# KiCad board transistor_clock.kicad_pcb (continued)
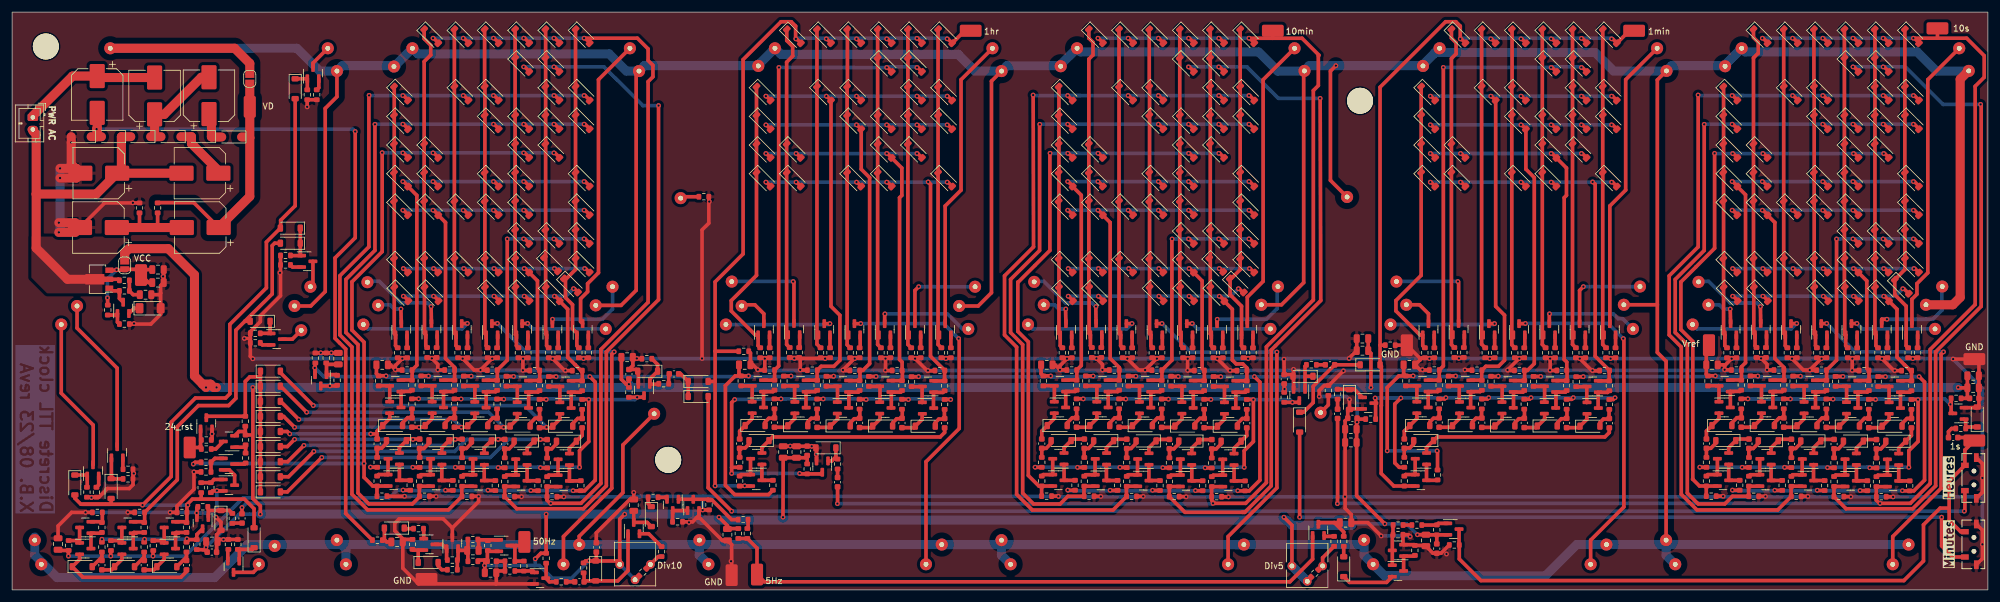
[diagram p0: board, top side]
## Routing (per net, layer and track width the routed paths; a pad name or vN(x,y) marks a point on that pad's centre or on a via; arc(x,y) is an arc through that point) (continued)
/Minutes/10counter/SCR_stage5/NEXT: length 4.8
  Top w0.6: 178.36,27.23 178.09,26.95 176.18,26.95 ; D261.1 179.53,28.4 Q81.2
/Minutes/10counter/SCR_stage6/NEXT: length 4.8
  Top w0.6: 183.21,26.95 185.16,26.95 185.41,27.2 ; 186.59,29.26 186.59,28.37 185.43,27.21
/Minutes/10counter/SCR_stage7/NEXT: length 4.8
  Top w0.6: 193.61,29.21 193.61,28.32 192.45,27.16 ; 192.44,27.15 192.21,26.93 190.26,26.93
/Minutes/10counter/SCR_stage8/NEXT: length 4.8
  Top w0.6: 197.29,26.88 199.24,26.88 200.65,28.29 200.65,29.18
/Minutes/10counter/SCR_stage/IN: length 5.1
  Top w0.6: 204.34,26.85 204.34,25.58 202.24,23.48 202.24,22.59
/Minutes/10counter/SCR_stage/NEXT: length 4.8
  Top w0.6: 195.24,22.61 195.24,23.5 196.4,24.66 ; 198.55,24.91 196.64,24.91 196.39,24.66
/Minutes/10Decoder/1: length 117.5
  Top w0.6: 200.5,86 199.83,86.66 199.67,86.66 ; 195.5,86 194.83,86.66 194.67,86.66 ; 203.59,12.86 204.03,12.86 ; 203.59,12.86 204,12.86 208.39,17.25 208.39,39.75 216.59,47.95 v1(216.49,81.45) ; 203.59,12.86 194.12,12.86 R30.1 ; 191.53,15.46 191.53,17.11 191.55,17.14 191.56,17.13 193.36,17.13
  Bottom w0.6: v1(216.49,81.45) 209.59,81.45 204.38,86.66 194.67,86.66
  vias: v1(194.7,86.67) v1(199.7,86.67)
/Minutes/10Decoder/2: length 136
  Top w0.6: v1(174.7,81.92) 175.53,81.09 D162.2 ; 189.67,81.91 189.78,81.91 190.45,81.25 ; v1(168.99,82) 169.05,56.85 164.25,52.05 164.25,42.25 166.25,40.25 166.25,15.84 168.85,13.25 182.21,13.25 184.45,15.49 ; 185.45,81.25 184.78,81.91 184.67,81.91 ; 204.67,81.91 204.83,81.91 205.5,81.25 ; 184.43,15.51 184.43,17.16 184.45,17.19 184.46,17.18 186.26,17.18 ; 200.5,81.25 199.83,81.91 199.67,81.91
  Bottom w0.6: 174.67,81.91 176.74,81.91 ; 176.74,81.91 204.67,81.91 ; 176.74,81.91 168.95,81.91
  vias: v1(184.7,81.92) v1(189.7,81.92) v1(199.7,81.92) v1(204.7,81.92)
/Minutes/10Decoder/3: length 118.9
  Top w0.6: 190.45,76.5 189.78,77.16 189.67,77.16 ; 175.45,76.5 174.78,77.16 174.67,77.16 ; 205.5,76.5 204.83,77.16 204.67,77.16 ; 199.67,77.16 199.83,77.16 200.5,76.5 ; 194.67,77.16 194.83,77.16 195.5,76.5 ; 177.4,15.51 177.4,17.16 177.43,17.19 177.43,17.18 179.24,17.18 ; 177.43,15.52 174.72,15.52 173.45,14.25 169.05,14.25 167.25,16.05 167.25,40.65 165.25,42.65 165.25,51.45 170.05,56.25 170.05,77.15
  Bottom w0.6: v1(170.09,77.15) 170.1,77.16 204.67,77.16
  vias: v1(174.7,77.17) v1(189.7,77.17) v1(194.7,77.17) v1(199.7,77.17) v1(204.7,77.17)
/Minutes/10Decoder/4: length 96.8
  Top w0.6: v1(174.71,72.35) 174.83,72.35 175.5,71.68 ; v1(194.71,72.35) 194.88,72.35 195.55,71.68 ; R111.2 169.93,17.22 168.19,18.96 168.19,41.1 166.45,42.84 166.45,51 166.51,51 171.76,56.25 171.76,72.38 ; v1(199.71,72.35) 199.88,72.35 200.55,71.68 ; 180.5,71.68 179.83,72.35 v1(179.71,72.35) ; 172.22,17.21 170.42,17.21 170.41,17.21 170.39,17.19 170.39,15.54
  Bottom w0.6: v1(199.71,72.35) 176.45,72.35 ; 176.45,72.35 171.8,72.35 v1(171.79,72.35) 171.8,72.35 171.8,72.35 ; 176.45,72.35 v1(174.71,72.35)
/Minutes/10Decoder/5: length 70.2
  Top w0.6: 179.67,67.66 179.78,67.66 180.45,67 ; 174.67,67.66 174.78,67.66 175.45,67 ; 175.53,66.83 176.95,65.41 176.95,37.18 R106.1 ; 190.45,67 189.78,67.66 189.67,67.66 ; 205.5,67 204.83,67.66 204.67,67.66 ; 194.67,67.66 194.83,67.66 195.5,67 ; 174.38,34.79 176.18,34.79 176.19,34.78 176.21,34.81 176.21,36.46
  Bottom w0.6: 174.67,67.66 204.67,67.66
  vias: v1(174.7,67.67) v1(179.7,67.67) v1(189.7,67.67) v1(194.7,67.67) v1(204.7,67.67)
/Minutes/10Decoder/6: length 66.7
  Top w0.6: 205.5,62.25 204.83,62.91 204.67,62.91 ; 185.45,62.25 184.78,62.91 184.67,62.91 ; 189.67,62.91 189.78,62.91 190.45,62.25 ; 179.67,62.91 179.78,62.91 180.45,62.25 ; 194.67,62.91 194.83,62.91 195.5,62.25 ; 174.67,62.91 174.78,62.91 175.45,62.25 ; 180.53,62.08 181.73,60.88 181.73,38.36 183.24,36.86 183.24,36.43 ; R164.1 183.24,34.78 R163.2 183.21,34.76 Q82.2
  Bottom w0.6: 174.67,62.91 204.67,62.91
  vias: v1(174.7,62.92) v1(179.7,62.92) v1(184.7,62.92) v1(189.7,62.92) v1(194.7,62.92) v1(204.7,62.92)
/Minutes/10Decoder/7: length 42
  Top w0.6: 205.5,57.5 204.83,58.16 204.67,58.16 ; 195.5,57.5 194.83,58.16 194.67,58.16 ; 190.29,36.4 191.95,38.07 191.95,58.15 ; 188.46,34.74 190.27,34.74 190.28,34.73 190.3,34.76 190.3,36.41 ; 199.67,58.16 199.83,58.16 200.5,57.5
  Bottom w0.6: 191.97,58.16 191.95,58.15 194.67,58.16 204.67,58.16
  vias: v1(191.99,58.15) v1(194.7,58.17) v1(199.7,58.17) v1(204.7,58.17)
/Minutes/10Decoder/8: length 58
  Top w0.6: 197.33,36.36 197.33,34.71 197.3,34.68 197.3,34.69 195.49,34.69 ; 200.58,52.58 199.92,53.25 199.75,53.25 ; 185.53,52.58 184.87,53.25 184.75,53.25 ; 204.75,53.25 204.92,53.25 205.58,52.58 ; 194.75,53.25 194.92,53.25 196.95,51.21 196.95,36.72 197.31,36.35 ; 190.53,52.58 189.87,53.25 189.75,53.25 ; 179.75,53.25 179.87,53.25 180.53,52.58 ; 175.53,52.58 174.87,53.25 174.75,53.25
  Bottom w0.6: 174.75,53.25 204.75,53.25
  vias: v1(174.79,53.25) v1(179.79,53.25) v1(184.79,53.25) v1(189.79,53.25) v1(194.79,53.25) v1(199.79,53.25) v1(204.79,53.25)
/Minutes/10Decoder/9: length 52.4
  Top w0.6: 203.75,49.25 203.08,49.91 202.92,49.91 ; 174.75,48.66 174.87,48.66 175.53,48 ; 194.75,48.66 194.92,48.66 195.58,48 ; R216.1 204.36,36.77 203.69,37.45 202.59,37.45 201.95,38.09 201.95,46.51 200.63,47.83 ; 199.75,48.66 199.92,48.66 200.58,48 ; 202.53,34.66 204.33,34.66 204.34,34.65 204.36,34.68 204.36,36.33 ; 179.75,48.66 179.87,48.66 180.53,48 ; 190.53,48 189.87,48.66 189.75,48.66
  Bottom w0.6: 174.75,48.66 201.67,48.66 202.92,49.91
  vias: v1(174.79,48.67) v1(179.79,48.67) v1(189.79,48.67) v1(194.79,48.67) v1(199.79,48.67) v1(202.95,49.92)
/Minutes/Clk_in: length 14.8
  Top w0.6: D301.1 213.74,29.45 215.34,31.05 215.34,33.75 C38.1 D302.1
/Minutes/Div10_A: length 54.4
  Top w0.6: 203.8,40.12 203.46,40.46 203.46,42.25 ; 203.47,42.25 203.47,47.02 201.58,48.91 201.58,51.41 203.25,53.08 203.25,92.91
/Minutes/Div10_B: length 53
  Top w0.6: 198.47,42.25 198.3,42.41 198.3,92.86 198.25,92.91 ; 198.8,40.12 198.46,40.46 198.46,42.25
/Minutes/Div10_C: length 53.1
  Top w0.6: 193.25,92.91 193.25,50.21 193.3,50.16 193.3,42.29 193.41,42.29 193.46,42.25 193.46,40.46 193.8,40.12
/Minutes/Div10_D: length 53
  Top w0.6: 188.46,42.25 188.46,40.46 188.8,40.12 ; 188.2,92.91 188.2,83.41 188.25,83.36 188.25,42.45 188.46,42.25
/Minutes/Div10_E: length 53
  Top w0.6: 183.8,40.12 183.46,40.46 183.46,42.25 183.2,42.51 183.2,92.91
/Minutes/Div10_F: length 53.6
  Top w0.6: 178.46,42.25 178.46,40.47 178.81,40.12 ; 178.45,42.28 178.25,42.48 178.25,50.16 178.2,50.21 178.2,87.95 178.89,88.64 178.89,90.75 178.2,91.44 D155.1
/Minutes/Div10_G: length 43.5
  Top w0.6: 173.2,83.41 173.25,83.36 173.25,42.46 173.46,42.25 173.46,40.47 173.81,40.12
/PSU/AC2: length 23
  Top w1.5: 3.44,78.58 10.01,85.15 C65.1 14.34,84.9 C81.2
/PSU/Sync: length 120.4
  Top w0.6: R257.1 55.21,12.68 55.21,39.93 53.45,41.69 53.45,55.01 56.79,58.35 v1(56.79,75.95)
  Top w1.5: 13.99,75.1 D296.1 ; 13.99,75.1 14.09,75.2 14.09,76.25 v1(13.99,76.35) 14.09,76.45 C65.2 ; 13.99,75.1 D298.2
  Bottom w0.6: v1(13.99,76.35) 56.39,76.35 v1(56.79,75.95)
/PSU/Vleds: length 39
  Top w0.6: 24.09,64.18 30.06,64.18 C82.1
  Top w1.5: 39.34,74.9 TP6.1 39.34,83.7 ; 39.34,74.9 39.19,75.05 D327.1 ; 39.34,74.9 39.34,65.2 C82.1
/Seconds/10counter/RST: length 123.1
  Top w0.6: 286.19,31.69 287.26,31.69 v1(287.29,31.66) ; v1(279.31,20.34) 279.34,20.32 R94.1 ; 293.21,31.66 294.29,31.66 v1(294.31,31.64) ; v1(308.4,31.56) 308.38,31.59 307.3,31.59 ; v1(301.38,31.61) 301.35,31.64 300.27,31.64 ; v1(293.35,20.32) 293.38,20.29 294.45,20.29 ; v1(286.32,20.32) 286.35,20.29 287.42,20.29 ; v1(313.91,20.32) 313.91,23.07 315.44,24.59 v1(315.44,31.53) 315.41,31.56 R204.1 ; v1(300.45,20.27) 300.47,20.24 301.55,20.24 ; R19.2 320.91,29.53 Q9.3 ; v1(307.45,20.24) 307.47,20.22 R20.1
  Bottom w0.6: 307.06,20.34 313.89,20.34 v1(313.91,20.32) ; 307.06,20.34 v1(279.31,20.34) ; 307.06,20.34 307.35,20.34 v1(307.45,20.24) ; 313.79,31.66 314.25,31.66 ; 313.79,31.66 v1(287.29,31.66) 314.25,31.66 ; 313.79,31.66 319.87,31.66 v1(320.79,30.75) ; 314.25,31.66 315.31,31.66 v1(315.44,31.53)
/Seconds/10counter/SCR_stage1/NEXT: length 4.8
  Top w0.6: 299.3,24.72 298.14,23.56 298.14,22.67 ; D62.1 299.57,24.94 C9.2
/Seconds/10counter/SCR_stage2/NEXT: length 4.8
  Top w0.6: 291.11,22.67 291.11,23.56 292.27,24.72 ; D127.1 292.54,24.97 C12.2
/Seconds/10counter/SCR_stage3/NEXT: length 4.8
  Top w0.6: C23.2 285.52,25 D139.1 284.1,23.58 Q47.2
/Seconds/10counter/SCR_stage4/NEXT: length 5.1
  Top w0.6: D141.1 280.41,26.32 C32.2 ; 282.5,29.31 282.5,28.43 281.34,27.26
/Seconds/10counter/SCR_stage5/NEXT: length 4.8
  Top w0.6: 289.52,29.29 289.52,28.4 288.36,27.24 ; C33.2 288.09,26.96 D255.1
/Seconds/10counter/SCR_stage6/NEXT: length 4.8
  Top w0.6: 296.59,29.26 296.59,28.38 295.42,27.21 ; C47.2 295.16,26.96 D256.1
/Seconds/10counter/SCR_stage7/NEXT: length 4.8
  Top w0.6: 302.45,27.16 303.61,28.33 303.61,29.21 ; C48.2 302.21,26.93 D265.1
/Seconds/10counter/SCR_stage8/NEXT: length 4.8
  Top w0.6: Q102.2 310.65,28.3 D281.1 309.24,26.88 C53.2
/Seconds/10counter/SCR_stage/IN: length 5.1
  Top w0.6: C62.2 314.34,25.58 D58.1 312.24,23.48 Q10.2
/Seconds/10counter/SCR_stage/NEXT: length 4.8
  Top w0.6: C8.2 306.64,24.92 D59.1 ; 306.4,24.67 305.24,23.51 305.24,22.62
/Seconds/10Decoder/1: length 115
  Top w0.6: 305.5,86 304.83,86.67 v1(304.67,86.67) ; v1(309.67,86.67) 309.83,86.67 310.5,86 ; v1(325.79,80.45) 325.89,80.35 325.89,46.99 318.35,39.45 318.35,17.25 314.55,13.45 303.53,13.45 R26.1 ; 303.36,17.14 301.56,17.14 301.55,17.14 301.52,17.12 301.52,15.47
  Bottom w0.6: v1(325.79,80.45) 319.59,80.45 313.37,86.67 v1(309.67,86.67) v1(304.67,86.67)
/Seconds/10Decoder/2: length 135.5
  Top w0.6: v1(314.67,81.92) 314.83,81.92 315.5,81.25 ; 296.26,17.19 294.45,17.19 294.45,17.19 294.42,17.17 294.42,15.52 ; v1(309.67,81.92) 309.83,81.92 310.5,81.25 ; v1(294.67,81.92) 294.78,81.92 295.45,81.25 ; 285.45,81.25 284.78,81.92 v1(284.67,81.92) ; v1(279.04,82) 279.05,81.99 279.05,56.85 274.25,52.05 274.25,42.25 276.25,40.25 276.25,15.85 278.85,13.25 292.21,13.25 R38.1 ; 300.45,81.25 299.78,81.92 v1(299.67,81.92)
  Bottom w0.6: 286.49,81.92 v1(314.67,81.92) ; 286.49,81.92 v1(284.67,81.92) ; 286.49,81.92 279.07,81.92
/Seconds/10Decoder/3: length 118.9
  Top w0.6: 300.45,76.5 299.78,77.17 v1(299.67,77.17) ; 310.5,76.5 309.83,77.17 v1(309.67,77.17) ; 285.45,76.5 284.78,77.17 v1(284.67,77.17) ; v1(280.05,77.15) 280.05,56.25 275.25,51.45 275.25,42.65 277.25,40.65 277.25,16.05 279.05,14.25 283.45,14.25 284.72,15.52 R62.1 ; 287.4,15.52 287.4,17.17 287.42,17.19 287.43,17.19 289.24,17.19 ; v1(314.67,77.17) 314.83,77.17 315.5,76.5 ; v1(304.67,77.17) 304.83,77.17 305.5,76.5
  Bottom w0.6: v1(314.67,77.17) v1(284.67,77.17) 280.07,77.17 v1(280.05,77.15)
/Seconds/10Decoder/4: length 97
  Top w0.6: R96.1 280.39,17.19 R95.2 ; v1(309.75,72.31) 309.92,72.31 310.59,71.64 ; Q48.2 280.42,17.21 R95.2 ; R95.2 279.27,17.22 278.13,18.36 278.16,18.39 278.16,41.17 276.19,43.14 276.19,51.03 281.77,56.61 v1(281.77,72.34) ; 305.59,71.64 304.92,72.31 v1(304.75,72.31) ; 290.54,71.64 289.87,72.31 v1(289.75,72.31) ; v1(284.75,72.31) 284.87,72.31 285.54,71.64
  Bottom w0.6: 286.08,72.31 281.79,72.31 ; 286.08,72.31 v1(309.75,72.31) ; 286.08,72.31 v1(284.75,72.31)
/Seconds/10Decoder/5: length 70.1
  Top w0.6: 290.45,67 289.78,67.67 v1(289.67,67.67) ; 315.5,67 314.83,67.67 v1(314.67,67.67) ; 284.38,34.79 286.18,34.79 286.19,34.79 286.21,34.81 286.21,36.46 ; D34.2 286.89,65.48 286.89,37.65 286.2,36.96 R102.1 ; 305.5,67 304.83,67.67 v1(304.67,67.67) ; v1(284.67,67.67) 284.78,67.67 285.45,67 ; v1(299.67,67.67) 299.78,67.67 300.45,67
  Bottom w0.6: v1(284.67,67.67) v1(314.67,67.67)
/Seconds/10Decoder/6: length 66.7
  Top w0.6: v1(299.67,62.92) 299.78,62.92 300.45,62.25 ; v1(304.67,62.92) 304.83,62.92 305.5,62.25 ; v1(294.67,62.92) 294.78,62.92 295.45,62.25 ; 290.45,62.25 289.78,62.92 v1(289.67,62.92) ; 285.45,62.25 284.78,62.92 v1(284.67,62.92) ; 291.4,34.77 293.21,34.77 293.21,34.76 293.24,34.79 293.24,36.44 ; D39.2 291.73,60.88 291.73,38.37 293.24,36.86 R146.1 ; 315.5,62.25 314.83,62.92 v1(314.67,62.92)
  Bottom w0.6: v1(284.67,62.92) v1(314.67,62.92)
/Seconds/10Decoder/7: length 42
  Top w0.6: v1(304.67,58.17) 304.83,58.17 305.5,57.5 ; v1(301.95,58.15) 301.95,38.07 R150.1 ; 300.3,36.41 300.3,34.76 300.27,34.74 300.27,34.74 298.46,34.74 ; 315.5,57.5 314.83,58.17 v1(314.67,58.17) ; v1(309.67,58.17) 309.83,58.17 310.5,57.5
  Bottom w0.6: v1(301.95,58.15) v1(304.67,58.17) v1(314.67,58.17)
/Seconds/10Decoder/8: length 58
  Top w0.6: v1(284.75,53.25) 284.87,53.25 D50.2 ; v1(309.75,53.25) 309.92,53.25 D45.2 ; v1(294.75,53.25) 294.87,53.25 D48.2 ; D44.2 314.92,53.25 v1(314.75,53.25) ; D49.2 289.87,53.25 v1(289.75,53.25) ; D47.2 299.87,53.25 v1(299.75,53.25) ; 307.32,36.36 307.32,34.71 307.3,34.69 307.29,34.69 305.49,34.69 ; v1(304.75,53.25) 304.92,53.25 D46.2 306.95,51.22 306.95,36.72 R178.1
  Bottom w0.6: v1(284.75,53.25) v1(314.75,53.25)
/Seconds/10Decoder/9: length 51.9
  Top w0.6: 285.53,48 284.87,48.67 v1(284.75,48.67) ; v1(309.75,48.67) 309.92,48.67 310.58,48 ; 300.53,48 299.87,48.67 v1(299.75,48.67) ; v1(289.75,48.67) 289.87,48.67 290.53,48 ; D52.2 311.95,46.52 311.95,38.55 313.19,37.31 313.2,37.31 314.18,36.33 R206.1 314.36,34.68 R205.2 314.33,34.66 Q103.2 ; v1(304.75,48.67) 304.92,48.67 305.58,48 ; 313.75,49.25 313.08,49.92 v1(312.92,49.92)
  Bottom w0.6: v1(312.92,49.92) 311.67,48.67 v1(284.75,48.67)
/Seconds/Div10_A: length 54.4
  Top w0.6: 313.8,40.13 313.46,40.47 313.46,42.25 ; D8.1 313.25,53.08 D51.1 311.58,48.92 313.47,47.03 Q2.1
/Seconds/Div10_B: length 53
  Top w0.6: D9.1 308.3,92.87 D52.1 308.3,42.42 Q3.1 ; 308.46,42.25 308.46,40.47 R6.1
/Seconds/Div10_C: length 53.1
  Top w0.6: 303.8,40.13 303.46,40.47 Q4.1 303.41,42.3 303.3,42.3 D53.1 303.25,50.22 D10.1
/Seconds/Div10_D: length 53
  Top w0.6: D11.1 D18.1 298.25,83.37 D54.1 298.25,42.46 Q5.1 ; 298.8,40.13 298.46,40.47 298.46,42.25
/Seconds/Div10_E: length 53
  Top w0.6: D12.1 D48.1 293.2,42.51 Q6.1 293.46,40.47 R12.1
/Seconds/Div10_F: length 53.7
  Top w0.6: D13.1 288.2,91.54 288.99,90.75 288.99,88.94 288.2,88.15 288.2,50.22 D55.1 288.25,42.49 Q7.1 ; 288.46,42.25 288.46,40.48 288.81,40.13
/Seconds/Div10_G: length 43.5
  Top w0.6: D20.1 283.25,83.37 D56.1 283.25,42.46 Q8.1 283.46,40.48 R16.1
/TensMinutes/6counter/RST: length 70.8
  Top w0.6: 126.18,31.65 127.25,31.65 v1(127.25,31.65) ; Q45.3 133.81,19.23 R91.2 130.41,19.23 v1(130.34,19.3) ; 140.3,31.57 141.33,31.57 v1(141.35,31.55) ; R316.1 155.33,31.56 ; v1(134.25,31.65) 134.25,31.65 133.2,31.65 ; v1(119.59,31.55) 119.09,31.05 119.09,20.3 ; R296.1 119.1,20.32 119.09,20.3 ; 119.09,20.3 v1(119.09,19.3) ; v1(148.35,31.55) 148.33,31.57 147.33,31.57
  Bottom w0.6: v1(119.09,19.3) v1(130.34,19.3) ; 128.09,31.65 v1(119.59,31.55) ; 128.09,31.65 v1(127.25,31.65) ; 128.09,31.65 155.24,31.65 v1(155.34,31.55)
/TensMinutes/6counter/SCR_stage1/NEXT: length 4.8
  Top w0.6: 128.35,27.23 129.51,28.39 129.51,29.28 ; 128.39,27.2 128.14,26.95 126.18,26.95
/TensMinutes/6counter/SCR_stage2/NEXT: length 4.8
  Top w0.6: 136.61,29.2 136.61,28.31 135.45,27.15 ; 133.24,26.93 135.17,26.93 135.41,27.17
/TensMinutes/6counter/SCR_stage3/NEXT: length 4.8
  Top w0.6: 143.64,29.2 143.64,28.31 142.47,27.15 ; 140.26,26.9 142.17,26.9 142.43,27.16
/TensMinutes/6counter/SCR_stage4/NEXT: length 4.8
  Top w0.6: 147.28,26.88 149.24,26.88 149.49,27.13 ; 150.61,29.15 150.61,28.26 149.45,27.09
/TensMinutes/6counter/SCR_stage/IN: length 32.9
  Top w0.6: 154.34,26.85 154.34,26.08 153.6,25.34 125.87,25.34 125.26,24.74 ; 124.09,22.7 124.09,23.58 125.25,24.75
/TensMinutes/6counter/SCR_stage/NEXT: length 5.1
  Top w0.6: 120.41,25.01 120.41,26.31 122.49,28.39 122.49,29.28
/TensMinutes/6Decoder/1: length 79
  Top w0.6: 144.72,86.56 144.88,86.56 145.55,85.9 ; 126.88,86.57 126.88,37.1 126.2,36.43 126.2,34.78 126.18,34.75 126.17,34.76 124.36,34.76 ; 149.72,86.56 149.88,86.56 150.55,85.9
  Bottom w0.6: 126.88,86.56 126.88,86.57 144.72,86.56 ; 144.65,86.67 149.65,86.67
  vias: v1(126.91,86.58) v1(144.75,86.57) v1(149.75,86.57)
/TensMinutes/6Decoder/2: length 87
  Top w0.6: 125.5,81.15 124.83,81.81 124.72,81.81 ; 131.39,34.76 133.2,34.76 133.2,34.75 133.22,34.78 133.22,36.43 ; 133.26,36.4 133.91,37.05 136,37.05 137,38.05 137,45.52 135.53,46.99 135.53,81.08 ; 155.55,81.15 154.88,81.81 154.72,81.81 ; 134.72,81.81 134.83,81.81 135.5,81.15 ; 149.72,81.81 149.88,81.81 150.55,81.15 ; 140.5,81.15 139.83,81.81 139.72,81.81
  Bottom w0.6: 124.72,81.81 154.72,81.81
  vias: v1(124.75,81.82) v1(134.75,81.82) v1(139.75,81.82) v1(149.75,81.82) v1(154.75,81.82)
/TensMinutes/6Decoder/3: length 80.5
  Top w0.6: 140.53,76.33 140.53,69.71 141.93,68.32 141.93,37.5 140.8,36.37 140.29,36.37 ; 140.5,76.4 139.83,77.06 139.72,77.06 ; 140.33,36.35 140.33,34.7 140.3,34.67 140.3,34.68 138.49,34.68 ; 145.55,76.4 144.88,77.06 144.72,77.06 ; 154.72,77.06 154.88,77.06 155.55,76.4 ; 150.55,76.4 149.88,77.06 149.72,77.06 ; 125.5,76.4 124.83,77.06 124.72,77.06
  Bottom w0.6: 154.72,77.06 124.72,77.06
  vias: v1(124.75,77.07) v1(139.75,77.07) v1(144.75,77.07) v1(149.75,77.07) v1(154.75,77.07)
/TensMinutes/6Decoder/4: length 69.1
  Top w0.6: 144.72,72.31 144.88,72.31 145.55,71.65 ; 145.58,71.58 147.25,69.91 147.25,65.37 146.88,65 146.88,38.17 147.3,37.75 147.3,36.36 ; 125.5,71.65 124.83,72.31 124.72,72.31 ; 129.72,72.31 129.83,72.31 130.5,71.65 ; 149.72,72.31 149.88,72.31 150.55,71.65 ; 145.51,34.68 147.32,34.68 147.33,34.67 147.35,34.7 147.35,36.35
  Bottom w0.6: 149.72,72.31 124.72,72.31
  vias: v1(124.75,72.32) v1(129.75,72.32) v1(144.75,72.32) v1(149.75,72.32)
/TensMinutes/6Decoder/5: length 71.4
  Top w0.6: 140.5,66.9 139.83,67.56 139.72,67.56 ; 155.55,66.9 154.88,67.56 154.72,67.56 ; 152.49,34.63 154.3,34.63 154.3,34.62 154.33,34.65 154.33,36.3 ; 145.55,66.9 144.88,67.56 144.72,67.56 ; 151.6,67.62 152,67.22 152,38.72 154.38,36.35 ; 130.5,66.9 129.83,67.56 129.72,67.56 ; 124.72,67.56 124.83,67.56 125.5,66.9
  Bottom w0.6: 154.72,67.56 151.61,67.56 151.58,67.6 151.54,67.56 124.72,67.56
  vias: v1(124.75,67.57) v1(129.75,67.57) v1(139.75,67.57) v1(144.75,67.57) v1(151.61,67.6) v1(154.75,67.57)
/TensMinutes/Div6_A: length 53
  Top w0.6: 153.79,40.12 153.25,40.66 153.25,92.91
/TensMinutes/Div6_B: length 53
  Top w0.6: 148.25,92.91 148.25,40.67 148.8,40.12
/TensMinutes/Div6_C: length 53
  Top w0.6: 143.79,40.12 143.25,40.66 143.25,92.91
/TensMinutes/Div6_D: length 53
  Top w0.6: 138.2,83.41 138.2,40.61 138.69,40.12 ; 138.25,92.81 138.25,83.31
/TensMinutes/Div6_E: length 53
  Top w0.6: 133.2,92.91 133.2,40.72 133.8,40.12
/TensMinutes/Div6_F: length 53.8
  Top w0.6: D70.1 128.21,91.03 129.19,90.05 129.19,88.45 128.19,87.45 128.19,40.66 128.69,40.16
/TensMinutes/Div6_G: length 47.3
  Top w0.6: 123.81,40.12 123.46,40.47 123.46,42.25 123,42.25 119.03,46.22 119.03,47.95 123.2,52.12 123.2,83.41
/TensSeconds/6counter/RST: length 63.3
  Top w0.6: R276.1 237.09,31.66 v1(237.29,31.85) ; R284.1 251.14,31.6 v1(251.39,31.85) ; R288.1 258.12,31.59 v1(258.39,31.85) ; R292.1 264.99,31.56 v1(265.29,31.85) ; R272.1 229.57,20.32 228.84,21.05 228.84,30.8 v1(229.84,31.8) ; R53.2 225.66,31.73 ; R280.1 244.17,31.63 v1(244.39,31.85)
  Bottom w0.6: 228.69,31.8 v1(237.29,31.85) v1(244.39,31.85) v1(251.39,31.85) v1(258.39,31.85) v1(265.29,31.85) ; 228.69,31.8 v1(225.59,31.8) ; 228.69,31.8 v1(229.84,31.8)
/TensSeconds/6counter/SCR_stage1/NEXT: length 4.8
  Top w0.6: 238.35,27.23 239.51,28.4 239.51,29.28 ; C86.2 238.14,26.96 D306.1
/TensSeconds/6counter/SCR_stage2/NEXT: length 4.8
  Top w0.6: 246.61,29.2 246.61,28.31 245.45,27.15 ; D307.1 245.17,26.93 C87.2
/TensSeconds/6counter/SCR_stage3/NEXT: length 4.8
  Top w0.6: 253.64,29.2 253.64,28.31 252.47,27.15 ; C88.2 252.16,26.9 D308.1
/TensSeconds/6counter/SCR_stage4/NEXT: length 4.8
  Top w0.6: D309.1 259.24,26.89 C89.2 ; 260.61,29.15 260.61,28.26 259.45,27.1
/TensSeconds/6counter/SCR_stage/IN: length 32.9
  Top w0.6: C90.2 264.34,26.09 263.6,25.35 235.87,25.35 D304.1 ; 235.25,24.75 234.09,23.59 234.09,22.7
/TensSeconds/6counter/SCR_stage/NEXT: length 5.1
  Top w0.6: Q133.2 232.49,28.4 D305.1 230.41,26.32 C85.2
/TensSeconds/6Decoder/1: length 79
  Top w0.6: v1(254.72,86.57) 254.88,86.57 255.55,85.9 ; 260.55,85.9 259.88,86.57 v1(259.72,86.57) ; v1(236.88,86.58) 236.88,37.11 R278.1 236.2,34.78 R277.2 236.17,34.76 Q134.2
  Bottom w0.6: v1(254.72,86.57) v1(236.88,86.58) ; 254.65,86.67 259.65,86.67
/TensSeconds/6Decoder/2: length 87
  Top w0.6: D103.2 245.53,46.99 247,45.53 247,38.05 246,37.05 243.91,37.05 R282.1 ; 260.55,81.15 259.88,81.82 v1(259.72,81.82) ; v1(244.72,81.82) 244.83,81.82 245.5,81.15 ; v1(249.72,81.82) 249.83,81.82 250.5,81.15 ; v1(234.72,81.82) 234.83,81.82 235.5,81.15 ; 241.39,34.76 243.2,34.76 243.2,34.76 243.22,34.78 243.22,36.43 ; v1(264.72,81.82) 264.88,81.82 265.55,81.15
  Bottom w0.6: v1(234.72,81.82) v1(264.72,81.82)
/TensSeconds/6Decoder/3: length 80.5
  Top w0.6: 265.55,76.4 264.88,77.07 v1(264.72,77.07) ; 235.5,76.4 234.83,77.07 v1(234.72,77.07) ; v1(259.72,77.07) 259.88,77.07 260.55,76.4 ; 248.49,34.68 250.29,34.68 250.3,34.68 250.33,34.7 250.33,36.35 ; v1(249.72,77.07) 249.83,77.07 250.5,76.4 ; R286.1 250.8,36.38 251.92,37.5 251.92,68.33 250.53,69.72 D108.2 ; v1(254.72,77.07) 254.88,77.07 255.55,76.4
  Bottom w0.6: v1(264.72,77.07) v1(234.72,77.07)
/TensSeconds/6Decoder/4: length 69.1
  Top w0.6: R290.1 257.3,37.75 256.88,38.18 256.88,65 257.25,65.38 257.25,69.92 D111.2 ; v1(234.72,72.32) 234.83,72.32 235.5,71.65 ; 255.55,71.65 254.88,72.32 v1(254.72,72.32) ; v1(259.72,72.32) 259.88,72.32 260.55,71.65 ; v1(239.72,72.32) 239.83,72.32 240.5,71.65 ; 257.35,36.35 257.35,34.7 257.32,34.68 257.32,34.68 255.51,34.68
  Bottom w0.6: v1(259.72,72.32) v1(234.72,72.32)
/TensSeconds/6Decoder/5: length 71.4
  Top w0.6: 262.49,34.63 264.29,34.63 264.3,34.63 264.32,34.65 264.32,36.3 ; v1(264.72,67.57) 264.88,67.57 265.55,66.9 ; 235.5,66.9 234.83,67.57 v1(234.72,67.57) ; R294.1 262,38.73 262,67.23 261.6,67.63 ; v1(249.72,67.57) 249.83,67.57 250.5,66.9 ; 255.55,66.9 254.88,67.57 v1(254.72,67.57) ; v1(239.72,67.57) 239.83,67.57 240.5,66.9
  Bottom w0.6: v1(234.72,67.57) 261.54,67.57 v1(261.57,67.6) 261.61,67.57 v1(264.72,67.57)
/TensSeconds/Div6_A: length 53
  Top w0.6: D92.1 263.25,40.67 R48.1
/TensSeconds/Div6_B: length 53
  Top w0.6: D93.1 258.25,40.68 R66.1
/TensSeconds/Div6_C: length 53
  Top w0.6: R40.1 253.25,40.67 D94.1
/TensSeconds/Div6_D: length 53
  Top w0.6: 248.25,92.82 248.25,83.32 ; R58.1 248.2,40.62 D102.1
/TensSeconds/Div6_E: length 53
  Top w0.6: D96.1 243.2,40.73 R56.1
/TensSeconds/Div6_F: length 53.6
  Top w0.6: R64.1 238.21,40.65 238.21,88.05 238.99,88.83 238.99,90.65 238.21,91.43 D97.1
/TensSeconds/Div6_G: length 47.3
  Top w0.6: R44.1 233.46,40.48 Q22.1 233,42.25 229.03,46.23 229.03,47.95 233.2,52.13 D104.1
/Vref: length 694.4
  Top w0.6: 287.81,35.46 288.89,35.46 ; 203.95,16.41 202.88,16.41 ; 244.8,35.38 245.99,35.38 246,35.39 ; C43.2 60.3,35.83 R135.2 ; 285.81,16.52 284.74,16.52 ; 177.81,35.46 178.89,35.46 ; R279.2 231.87,35.46 v1(231.88,35.47) ; R279.2 230.3,35.83 C22.2 ; R279.2 229.49,35.46 227.59,33.55 v1(227.59,23.05) ; v1(315.61,35.34) 316.51,34.44 316.51,18.19 314.74,16.42 R23.2 ; R107.2 170.3,35.83 C39.2 ; R303.2 120.3,35.83 C31.2 ; 72.82,16.5 71.75,16.5 ; v1(205.61,35.34) 206.51,34.44 206.51,18.19 204.74,16.41 204.05,16.41 ; 60.79,35.49 61.86,35.49 ; v1(95.61,35.35) 96.51,34.45 96.51,18.2 94.74,16.42 94.05,16.42 ; 134.8,35.37 135.99,35.37 136,35.38 ; 81.9,35.39 82.97,35.39 ; 292.82,16.49 291.75,16.49 ; 127.7,35.45 128.89,35.45 ; 67.81,35.47 68.89,35.47 ; 294.88,35.44 295.95,35.44 ; 150,35.33 149.99,35.32 148.8,35.32 ; 198.94,35.35 200.01,35.35 ; 86.95,16.45 85.88,16.45 ; 79.85,16.5 78.78,16.5 ; 93.95,16.42 92.88,16.42 ; 189.85,16.49 188.78,16.49 ; 306.95,16.44 305.88,16.44 ; 74.88,35.44 75.95,35.44 ; 301.9,35.39 302.97,35.39 ; 65.81,16.52 64.74,16.52 ; 299.85,16.49 298.77,16.49 ; 308.94,35.36 310.01,35.36 ; v1(23.32,5.6) 23.32,6.5 ; 175.81,16.51 174.74,16.51 ; 170.79,35.48 171.86,35.48 ; TP7.1 280.39,40.1 C7.2 280.39,35.75 R103.2 ; 280.79,35.49 281.86,35.49 ; 50.14,35.68 50.14,36.75 v1(50.09,36.8) 50.14,36.85 50.14,37.56 R3.1 ; 196.95,16.44 195.88,16.44 ; C57.2 7.74,6.54 R227.2 9.33,6.5 v1(9.33,5.6) ; 258.8,35.33 259.99,35.33 260,35.34 ; R299.2 125.2,15.8 119.59,15.8 118.05,17.34 118.05,33.85 119.66,35.45 121.86,35.45 v1(121.88,35.46) ; v1(235.84,23.05) 235.91,22.97 R275.2 ; 182.83,16.49 181.75,16.49 ; 88.94,35.36 90.01,35.36 ; 141.83,35.37 143.01,35.37 ; v1(16.33,5.6) 16.33,6.5 ; 251.83,35.38 253.01,35.38 ; 184.88,35.43 185.95,35.43 ; 191.9,35.38 192.97,35.38 ; 237.7,35.46 238.89,35.46 ; 313.95,16.42 312.88,16.42
  Bottom w0.6: v1(174.71,16.54) 174.81,16.44 v1(202.85,16.44) ; v1(200.04,35.33) 205.6,35.33 ; v1(200.04,35.33) 204.95,35.33 ; v1(200.04,35.33) 172.45,35.33 ; v1(200.04,35.33) 172.02,35.33 ; 205.6,35.33 204.95,35.33 ; 205.6,35.33 v1(205.61,35.34) ; 204.95,35.33 232.94,35.33 232.95,35.34 ; 232.95,35.34 232,35.34 v1(231.88,35.47) ; 232.95,35.34 v1(260.02,35.34) 265.59,35.34 265.6,35.35 282.43,35.35 282.45,35.33 ; 172.43,35.34 172.45,35.33 ; 172.45,35.33 172.02,35.33 ; 172.45,35.33 150.03,35.33 v1(150.03,35.33) 122.8,35.33 ; 172.02,35.33 v1(171.89,35.46) ; v1(235.84,23.05) v1(227.59,23.05) ; 95.6,35.34 92.87,35.34 ; 95.6,35.34 v1(90.04,35.34) ; 95.6,35.34 v1(95.61,35.35) ; 122.8,35.33 122,35.33 v1(121.88,35.46) ; 122.8,35.33 122.8,35.34 92.87,35.34 ; 282.02,35.33 v1(281.89,35.46) ; 282.02,35.33 282.45,35.33 ; 282.02,35.33 v1(310.04,35.33) ; v1(90.04,35.34) 62.84,35.34 ; v1(90.04,35.34) 62.02,35.34 ; v1(90.04,35.34) 92.87,35.34 ; 62.84,35.34 62.45,35.34 ; 62.84,35.34 51.59,35.34 50.12,36.8 v1(50.09,36.8) ; 282.45,35.33 v1(310.04,35.33) ; v1(315.61,35.34) 315.6,35.33 v1(310.04,35.33) ; 62.45,35.34 62.02,35.34 ; 62.45,35.34 62.43,35.35 ; 62.02,35.34 v1(61.89,35.47) ; v1(312.85,16.44) 284.81,16.44 v1(284.71,16.54) ; v1(9.33,5.6) v1(23.32,5.6) 28.6,5.6 38.25,15.25 62.45,15.25 63.75,16.55 v1(64.71,16.55) 64.81,16.45 v1(92.85,16.45)